# Altium PCB MB1397.PcbDoc (part 11 of 11) (continued)
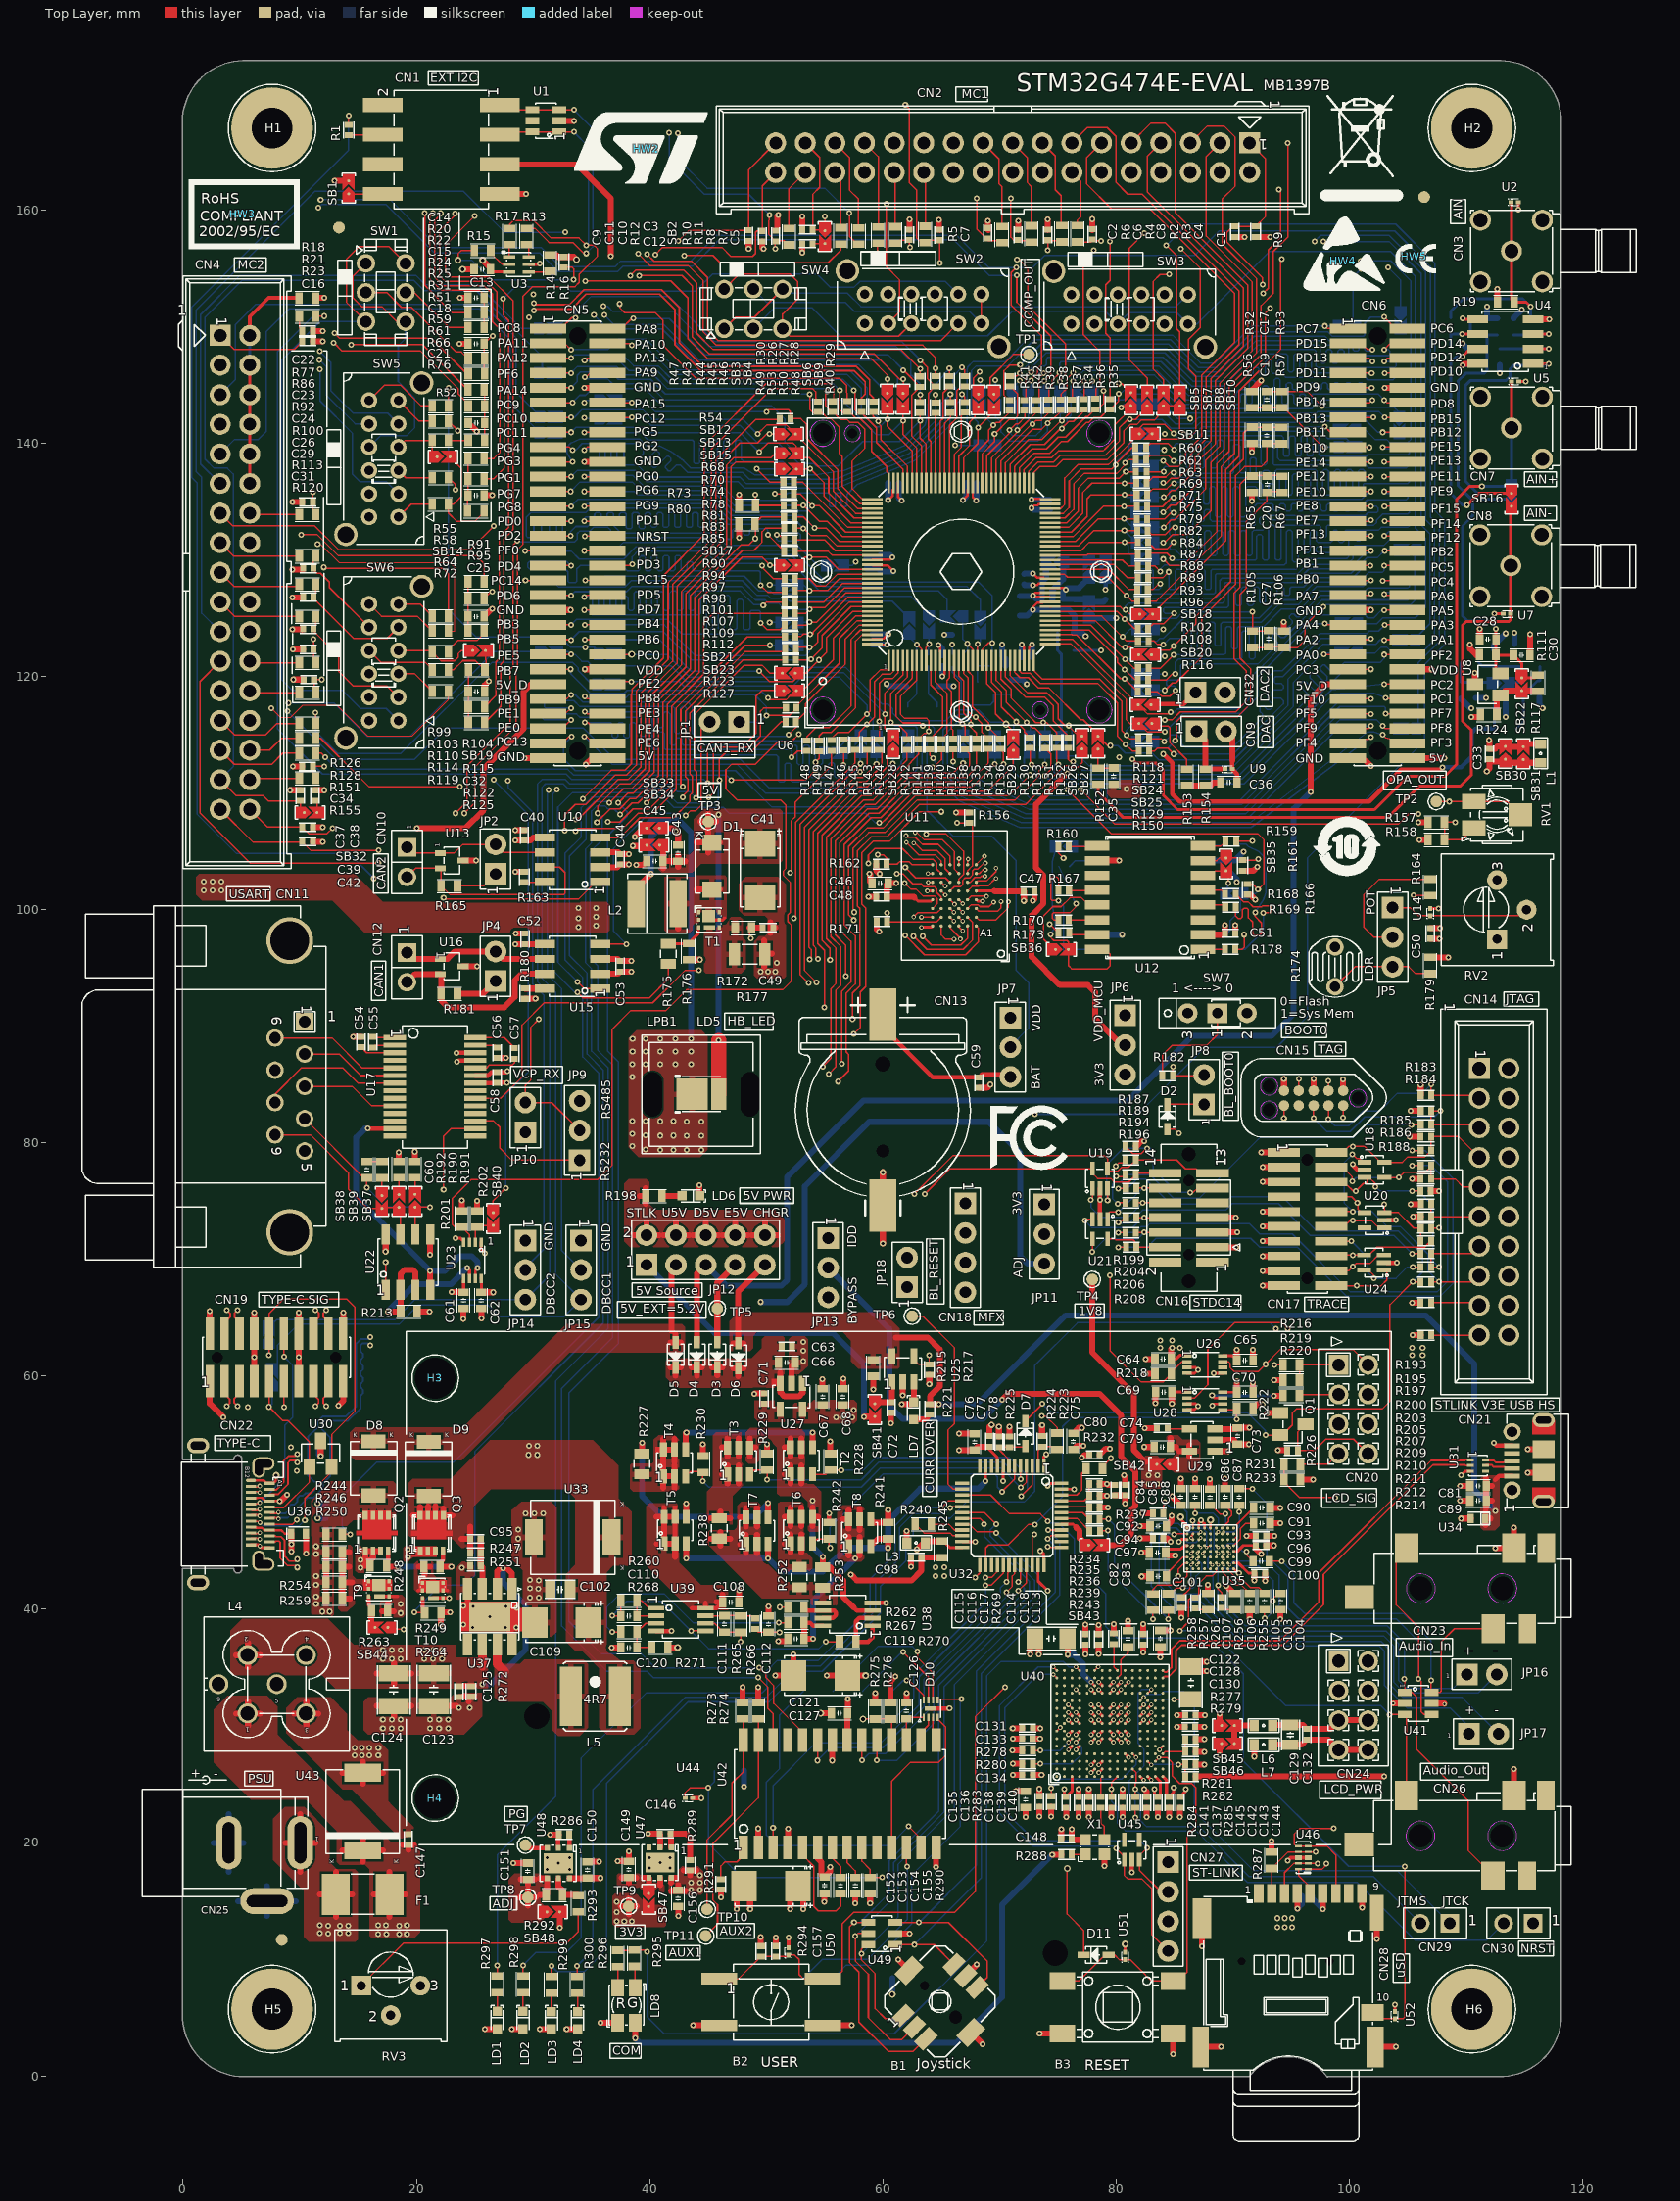
[diagram p0: Top Layer view]
## Keep-outs
L2_GND:
  lines w0.254: 90.721,0.056 cw(c94.742,-2.515) 98.779,0.03
L3_VCC:
  lines w0.254: 90.721,0.056 cw(c94.742,-2.515) 98.779,0.03
L5_GND:
  lines w0.254: 90.721,0.056 cw(c94.742,-2.515) 98.779,0.03
Bottom Layer:
  circle w0.025: c54.843,117.106 r2.505
  circle w0.025: c78.563,117.106 r2.505
  circle w0.025: c54.843,140.831 r2.505
Keep-Out Layer:
  lines w0.127: 118.11,5.156 118.11,5.156
Multi-Layer:
  circle w0.025: c57.383,140.826 r0.705
  circle w0.025: c54.843,117.106 r1.105
  circle w0.025: c54.843,140.826 r1.105
  circle w0.025: c78.563,140.826 r1.105
  circle w0.025: c78.563,117.106 r1.105
  circle w0.025: c73.483,117.106 r0.705

## Other copper
Top Layer:
  rectangle net GND: 27.324,38.1 29.25,40.12
  rectangle net NetR249_1: 20.222,41.456 22.614,42.517
  rectangle net NetC63_2: 50.458,59.182 51.317,59.776
  rectangle net NetR246_1: 15.419,41.581 17.922,42.545
  rectangle net NetQ2_1: 19.53,44.501 21.776,45.387
  rectangle net AMP_VDD: 41.011,47.802 41.467,48.943
  rectangle net AMP_VDD: 41.958,45.63 42.364,48.901
  rectangle net SH0_D: 40.505,53.414 42.257,53.911
  rectangle net SH0_D: 40.601,51.151 42.279,51.664
  rectangle net GND: 23.789,38.1 28.789,40.64
  text "1" at 57.462,-24.867 h1.91
  text "1" at 57.462,-24.867 h1.91
  text "PRIMARY SIDE" at 44.762,-28.677 h1.52
  text "PRIMARY SIDE" at 44.762,-28.677 h1.52
Bottom Layer:
  text "6" at 56.192,-24.867 h1.91
  text "6" at 56.192,-24.867 h1.91
  text "SECONDARY SIDE" at 44.762,-28.677 h1.52
Multi-Layer:
  text "FAB DARWING & DRILL LEGEND" at 44.762,-28.677 h1.52

## Silkscreen, mask and mechanical layers (free items; w line width, h text height)
Top Overlay:
  drawing of 2954 lines, arcs and shapes, not listed
  text "EXT I2C" at 21.189,170.942 h0.76
  text "MB1397B" at 92.606,170.231 h0.89
  text "STM32G474E-EVAL" at 71.45,170.155 h1.52
  text "MC1" at 66.761,169.545 h0.76
  text "AIN" at 109.67,159.133 h0.76 r90
  text "MC2" at 4.699,154.912 h0.76
  text "COMP_OUT" at 72.898,149.885 h0.76 r90
  text "PC8" at 26.924,149.482 h0.76
  text "PC7" at 95.377,149.426 h0.76
  text "PC6" at 106.934,149.428 h0.76
  text "PA8" at 38.687,149.352 h0.76
  text "PA11" at 26.924,148.202 h0.76
  text "PD15" at 95.377,148.158 h0.76
  text "PD14" at 106.934,148.158 h0.76
  text "PA10" at 38.707,148.067 h0.76
  text "PD12" at 106.934,146.962 h0.76
  text "PD13" at 95.377,146.939 h0.76
  text "PA12" at 26.886,146.914 h0.76
  text "PA13" at 38.707,146.914 h0.76
  text "PD10" at 106.934,145.745 h0.76
  text "PA9" at 38.707,145.669 h0.76
  text "PD11" at 95.377,145.641 h0.76
  text "PF6" at 26.886,145.545 h0.76
  text "GND" at 38.661,144.399 h0.76
  text "PD9" at 95.377,144.399 h0.76
  text "GND" at 106.934,144.385 h0.76
  text "PA14" at 26.856,144.1 h0.76
  text "PB14" at 95.377,143.129 h0.76
  text "PA15" at 38.687,143.002 h0.76
  text "PD8" at 106.934,143.002 h0.76
  text "PC9" at 26.856,142.878 h0.76
  text "PB13" at 95.377,141.732 h0.76
  text "PC10" at 26.856,141.712 h0.76
  text "PC12" at 38.687,141.712 h0.76
  text "PB15" at 106.934,141.67 h0.76
  text "PG5" at 38.674,140.589 h0.76
  text "PB11" at 95.377,140.545 h0.76
  text "PB12" at 106.934,140.538 h0.76
  text "PC11" at 26.856,140.483 h0.76
  text "PG2" at 38.687,139.362 h0.76
  text "PE15" at 106.934,139.342 h0.76
  text "PG4" at 26.856,139.219 h0.76
  text "PB10" at 95.377,139.205 h0.76
  text "PE13" at 106.934,138.125 h0.76
  text "PG3" at 26.886,138.05 h0.76
  text "GND" at 38.674,138.05 h0.76
  text "PE14" at 95.377,137.922 h0.76
  text "PG0" at 38.725,136.779 h0.76
  text "PE12" at 95.377,136.765 h0.76
  text "PE11" at 106.934,136.765 h0.76
  text "PG1" at 26.886,136.652 h0.76
  text "AIN+" at 115.189,136.522 h0.76
  text "PG6" at 38.725,135.581 h0.76
  text "PE9" at 106.934,135.487 h0.76
  text "PE10" at 95.377,135.441 h0.76
  text "PG7" at 26.886,135.255 h0.76
  text "PG9" at 38.753,134.237 h0.76
  text "PE8" at 95.377,134.227 h0.76
  text "PG8" at 26.924,134.112 h0.76
  text "PF15" at 106.991,133.982 h0.76
  text "AIN-" at 115.189,133.601 h0.76
  text "PD1" at 38.834,132.969 h0.76
  text "PE7" at 95.377,132.969 h0.76
  text "PD0" at 26.924,132.89 h0.76
  text "PF14" at 106.991,132.712 h0.76
  text "PF13" at 95.377,131.811 h0.76
  text "PD2" at 26.924,131.699 h0.76
  text "NRST" at 38.834,131.62 h0.76
  text "PF12" at 106.991,131.516 h0.76
  text "PF0" at 26.924,130.429 h0.76
  text "PF11" at 95.377,130.429 h0.76
  text "PF1" at 38.902,130.302 h0.76
  text "PB2" at 106.991,130.299 h0.76
  text "PB1" at 95.377,129.286 h0.76
  text "PD3" at 38.88,129.189 h0.76
  text "PD4" at 26.924,129.053 h0.76
  text "PC5" at 106.991,128.939 h0.76
  text "PB0" at 95.377,127.937 h0.76
  text "PC15" at 38.902,127.919 h0.76
  text "PC14" at 26.416,127.81 h0.76
  text "PC4" at 107.003,127.702 h0.76
  text "PD5" at 38.902,126.619 h0.76
  text "PD6" at 26.856,126.513 h0.76
  text "PA7" at 95.377,126.489 h0.76
  text "PA6" at 107.003,126.489 h0.76
  text "PD7" at 38.902,125.349 h0.76
  text "GND" at 26.856,125.312 h0.76
  text "GND" at 95.377,125.219 h0.76
  text "PA5" at 107.003,125.222 h0.76
  text "PB4" at 38.902,124.126 h0.76
  text "PB3" at 26.856,124.082 h0.76
  text "PA4" at 95.377,124.051 h0.76
  text "PA3" at 107.003,124.003 h0.76
  text "PB5" at 26.856,122.812 h0.76
  text "PB6" at 38.902,122.784 h0.76
  text "PA2" at 95.377,122.735 h0.76
  text "PA1" at 107.003,122.743 h0.76
  text "PA0" at 95.377,121.446 h0.76
  text "PF2" at 107.003,121.412 h0.76
  text "PE5" at 26.924,121.397 h0.76
  text "PC0" at 38.902,121.397 h0.76
  text "PC3" at 95.377,120.169 h0.76
  text "VDD" at 38.88,120.142 h0.76
  text "VDD" at 107.003,120.142 h0.76
  text "PB7" at 26.856,120.102 h0.76
  text "PE2" at 38.979,119 h0.76
  text "5V_D" at 26.797,118.872 h0.76
  text "PC2" at 106.934,118.872 h0.76
  text "5V_D" at 95.377,118.793 h0.76
  text "DAC2" at 93.116,117.789 h0.76 r90
  text "PB8" at 38.958,117.759 h0.76
  text "PC1" at 106.934,117.676 h0.76
  text "PB9" at 26.924,117.602 h0.76
  text "PF10" at 95.377,117.602 h0.76
  text "PE3" at 38.979,116.474 h0.76
  text "PE1" at 26.924,116.459 h0.76
  text "PF5" at 95.377,116.441 h0.76
  text "PF7" at 106.934,116.441 h0.76
  text "PE0" at 26.924,115.237 h0.76
  text "PF9" at 95.377,115.189 h0.76
  text "PF8" at 106.934,115.189 h0.76
  text "PE4" at 38.958,115.092 h0.76
  text "DAC" at 93.218,114.259 h0.76 r90
  text "PC13" at 26.856,113.985 h0.76
  text "PE6" at 38.958,113.909 h0.76
  text "PF4" at 95.377,113.919 h0.76
  text "PF3" at 106.934,113.919 h0.76
  text "CAN1_RX" at 44.094,113.473 h0.76
  text "5V" at 38.979,112.796 h0.76
  text "GND" at 26.924,112.697 h0.76
  text "GND" at 95.377,112.587 h0.76
  text "5V" at 106.807,112.57 h0.76
  text "OPA_OUT" at 103.175,110.781 h0.76
  text "5V" at 44.488,109.852 h0.76
  text "CAN2" at 17.366,101.653 h0.76 r90
  text "USART" at 3.937,100.95 h0.76
  text "POT" at 102.182,99.503 h0.76 r90
  text "LDR" at 102.083,93.842 h0.76 r90
  text "1 <----> 0" at 84.785,92.862 h0.76
  text "CAN1" at 17.172,92.456 h0.76 r90
  text "JTAG" at 113.411,91.945 h0.76
  text "0=Flash" at 94.056,91.745 h0.76
  text "1=Sys Mem" at 94.107,90.703 h0.76
  text "HB_LED" at 46.662,90.076 h0.76
  text "VDD" at 73.495,89.527 h0.76 r90
  text "BOOT0" at 94.437,89.282 h0.76
  text "VDD_MCU" at 78.867,88.646 h0.76 r90
  text "TAG" at 97.33,87.63 h0.76
  text "VCP_RX" at 28.296,85.522 h0.76
  text "3V3" at 78.913,84.833 h0.76 r90
  text "BAT" at 73.492,84.574 h0.76 r90
  text "BL_BOOT0" at 90.043,82.169 h0.76 r90
  text "RS485" at 36.636,82.014 h0.76 r90
  text "RS232" at 36.548,76.659 h0.76 r90
  text "5V PWR" at 48.006,75.095 h0.76
  text "3V3" at 71.89,73.779 h0.76 r90
  text "U5V" at 41.042,73.635 h0.76
  text "D5V" at 43.739,73.635 h0.76
  text "E5V" at 46.372,73.627 h0.76
  text "CHGR" at 48.912,73.627 h0.76
  text "STLK" at 38.049,73.609 h0.76
  text "IDD" at 57.744,71.01 h0.76 r90
  text "GND" at 31.743,70.739 h0.76 r90
  text "GND" at 36.662,70.681 h0.76 r90
  text "ADJ" at 71.945,68.389 h0.76 r90
  text "5V Source" at 38.834,66.929 h0.76
  text "BL_RESET" at 64.75,66.461 h0.76 r90
  text "TYPE-C SIG" at 6.731,66.167 h0.76
  text "STDC14" at 86.563,65.913 h0.76
  text "TRACE" at 96.393,65.786 h0.76
  text "5V_EXT=5.2V" at 37.465,65.405 h0.76
  text "DBCC1" at 36.703,65.278 h0.76 r90
  text "DBCC2" at 31.877,65.238 h0.76 r90
  text "1V8" at 76.782,65.199 h0.76
  text "MFX" at 68.146,64.64 h0.76
  text "BYPASS" at 57.757,64.465 h0.76 r90
  text "STLINK V3E USB HS" at 107.315,57.15 h0.76
  text "TYPE-C" at 2.921,53.848 h0.76
  text "CURR OVER" at 64.421,49.911 h0.76 r90
  text "LCD_SIG" at 97.917,49.174 h0.76
  text "Audio_In" at 104.267,36.474 h0.76
  text "-" at 112.304,36.093 h0.76
  text "+" at 109.736,36.068 h0.76
  text "-" at 112.431,30.988 h0.76
  text "+" at 109.863,30.963 h0.76
  text "Audio_Out" at 106.299,25.796 h0.76
  text "+" at 0.646,25.555 h0.76
  text "-" at 2.628,25.541 h0.76
  text "PSU" at 5.565,25.121 h0.76
  text "LCD_PWR" at 97.815,24.232 h0.76
  text "PG" at 27.889,22.073 h0.76
  text "ST-LINK" at 86.535,17.018 h0.76
  text "JTMS" at 104.14,14.605 h0.76
  text "JTCK" at 107.95,14.605 h0.76
  text "ADJ" at 26.54,14.402 h0.76
  text "AUX2" at 46.025,12.04 h0.76
  text "3V3" at 37.418,11.961 h0.76
  text "NRST" at 114.681,10.541 h0.76
  text "AUX1" at 41.648,10.185 h0.76
  text "uSD" at 104.775,8.382 h0.76 r90
  text "COM" at 36.83,1.778 h0.76
  text "USER" at 49.53,0.762 h0.89
  text "Joystick" at 62.908,0.6 h0.89
  text "RESET" at 77.297,0.508 h0.89
  text "SILKSCREEN, (PRIMARY)" at 44.762,-28.677 h1.52
Bottom Overlay:
  lines w0.127: 67.31,38.083 73.894,38.083 ; 67.31,38.133 67.31,39.482 73.69,39.482 73.911,39.261 73.911,38.101 ; 67.539,36.524 67.539,36.573 ; 70.646,124.774 70.646,127.553 70.646,129.043 70.646,129.54 62.992,129.54 62.992,133.147 69.615,133.147 71.133,133.147 71.133,127.693 71.19,127.635 71.478,127.635 ; 71.553,124.488 72.765,124.488 72.855,124.578 76.879,124.578 77.379,124.079 80.236,124.079 80.236,124.536 ; 72.898,127.381 75.281,127.381 ; 74.122,36.524 74.14,36.542 ; 76.073,127.381 78.565,127.381 ; 79.591,127.381 80.165,127.381 80.165,125.499 ; 116.332,145.479 116.332,152.176 109.982,152.176 109.982,158.877 101.346,158.877 101.346,152.342 107.627,152.342 107.627,145.542 116.332,145.542 ; 33.122,169.112 34.823,169.112 41.407,169.112 41.425,169.13 41.425,170.663 33.122,170.663 33.122,169.112 ; 46.203,65.507 46.204,65.505 46.965,65.505 53.548,65.505 53.566,65.523 53.566,66.683 53.345,66.904 46.203,66.904 46.203,66.317 46.203,65.507
  text "product sticker" at 41.072,169.619 h0.76
  text "board sticker" at 53.21,65.837 h0.76
  text "Smart Card" at 73.556,38.415 h0.76
  text "SILKSCREEN, (SECONDARY)" at 75.115,-28.804 h1.52
Top Paste:
  text "SOLDER PASTE (PRIMARY)" at 44.762,-28.677 h1.52
  text "SOLDER PASTE (PRIMARY)" at 44.762,-28.677 h1.52
Bottom Paste:
  text "SOLDER PASTE (SECONDARY)" at 44.762,-28.677 h1.52
  text "SOLDER PASTE (SECONDARY)" at 44.762,-28.677 h1.52
Top Solder:
  text "SOLDER MASK (PRIMARY)" at 44.762,-28.677 h1.52
  text "SOLDER MASK (PRIMARY)" at 44.762,-28.677 h1.52
Bottom Solder:
  text "SOLDER MASK (SECONDARY)" at 44.762,-28.677 h1.52
  text "SOLDER MASK (SECONDARY)" at 44.762,-28.677 h1.52
M1-Board Shape:
  lines w0.127: 0,43.434 0,5.258 ccw(c5.207,5.207) 5.156,0 91.38,0 cw(c94.742,-2.502) 98.116,-0.016 ; 0,52.884 0,167.564 cw(c5.207,167.513) 5.258,172.72 ; 5.105,172.72 40.783,172.72 112.954,172.72 cw(c112.903,167.513) 118.11,167.462 118.11,24.765 118.11,5.156 cw(c112.903,5.207) 112.852,0 98.116,0
M8-Bottom Info:
  text "4" at 38.644,-6.807 h1.91
  text "4" at 38.644,-6.807 h1.91
  text "LAYER 4 (INTERNAL SIGNAL)" at 25.944,-10.617 h1.52
  text "LAYER 4 (INTERNAL SIGNAL)" at 25.944,-10.617 h1.52
M12-Top 3D Body:
  text "5" at 38.644,-6.807 h1.91
  text "5" at 38.644,-6.807 h1.91
  text "LAYER 5 (GND PLANE)" at 25.944,-10.617 h1.52
  text "LAYER 5 (GND PLANE)" at 25.944,-10.617 h1.52
M13-Bottom 3D Body:
  text "3" at 38.644,-6.807 h1.91
  text "3" at 38.644,-6.807 h1.91
  text "LAYER 3 (VTT PLANE)" at 25.944,-10.617 h1.52
  text "LAYER 3 (VTT PLANE)" at 25.944,-10.617 h1.52
M14-Top Assembly:
  text "2" at 38.644,-6.807 h1.91
  text "2" at 38.644,-6.807 h1.91
  text "LAYER 2 (GND PLANE)" at 25.944,-10.617 h1.52
  text "LAYER 2 (GND PLANE)" at 25.944,-10.617 h1.52
Drill Drawing:
  drawing of 25954 lines, arcs and shapes, not listed
  text "6" at -9.855,302.895 h3.3
  text "6" at -9.855,302.895 h3.3
  text "5" at 79.045,302.895 h3.3
  text "5" at 79.045,302.895 h3.3
  text "4" at 167.945,302.895 h3.3
  text "4" at 167.945,302.895 h3.3
  text "3" at 256.845,302.895 h3.3
  text "3" at 256.845,302.895 h3.3
  text "2" at 345.745,302.895 h3.3
  text "2" at 345.745,302.895 h3.3
  text "1" at 434.645,302.895 h3.3
  text "1" at 434.645,302.895 h3.3
  text "REVISIONS" at 402.59,296.266 h2.29
  text "DESCRIPTION" at 384.708,290.5 h1.91
  text "DATA" at 443.535,290.5 h1.91
  text "APPROVED" at 459.105,290.347 h1.91
  text "REV" at 374.32,290.093 h1.91
  text "1.0" at 374.117,285.42 h1.91
  text "***" at 460.883,285.217 h1.91
  text "2008-**-**" at 439.522,285.064 h1.91
  text "EDITION ORIGINALE" at 384.505,285.013 h1.91
  text "D" at -60.655,244.475 h3.3
  text "D" at -60.655,244.475 h3.3
  text "D" at 480.365,244.475 h3.3
  text "D" at 480.365,244.475 h3.3
  text "4" at 302.565,235.128 h1.91
  text "4" at 302.565,235.128 h1.91
  text "LAYER STUCK-UP" at 307.645,235.128 h1.91
  text "LAYER STUCK-UP" at 307.645,235.128 h1.91
  text "5" at -14.224,231.496 h2.54
  text "5" at -14.224,231.496 h2.54
  text "IMPEDANCE TABLE" at -6.35,230.988 h2.54
  text "IMPEDANCE TABLE" at -6.35,230.988 h2.54
  text "SOLDERMASK & SILKSCREEN" at 352.349,229.032 h1.52
  text "SOLDERMASK & SILKSCREEN" at 352.349,229.032 h1.52
  text "TOP     (0.5 oz cu+planted)" at 352.349,225.984 h1.52
  text "TOP     (0.5 oz cu+planted)" at 352.349,225.984 h1.52
  text "LAYER" at -8.255,223.52 h1.91
  text "LAYER" at -8.255,223.52 h1.91
  text "TOLERANCE" at 86.995,223.52 h1.91
  text "TOLERANCE" at 86.995,223.52 h1.91
  text "TRACE" at 10.795,223.266 h1.91
  text "TRACE" at 10.795,223.266 h1.91
  text "SPACEING" at 24.765,223.266 h1.91
  text "SPACEING" at 24.765,223.266 h1.91
  text "IMPEDANCE" at 43.815,223.266 h1.91
  text "IMPEDANCE" at 43.815,223.266 h1.91
  text "IMPEDANCE" at 66.675,223.266 h1.91
  text "IMPEDANCE" at 66.675,223.266 h1.91
  text "PREPREG  3.9 mil" at 318.821,221.793 h1.52
  text "PREPREG  3.9 mil" at 318.821,221.793 h1.52
  text "(mil)" at 12.065,220.98 h1.27
  text "(mil)" at 12.065,220.98 h1.27
  text "(Single end)" at 45.085,220.98 h1.27
  text "(Single end)" at 45.085,220.98 h1.27
  text "(mil)" at 27.305,220.726 h1.27
  text "(mil)" at 27.305,220.726 h1.27
  text "(Differential)" at 66.675,220.726 h1.27
  text "(Differential)" at 66.675,220.726 h1.27
  text "LAYER 2 (1 oz)" at 352.349,218.364 h1.52
  text "LAYER 2 (1 oz)" at 352.349,218.364 h1.52
  text "1,6" at -8.382,217.272 h1.91
  text "1,6" at -8.382,217.272 h1.91
  text "5.0" at 11.938,217.018 h1.91
  text "5.0" at 11.938,217.018 h1.91
  text "CORE     4  mil" at 318.821,215.824 h1.52
  text "CORE     4  mil" at 318.821,215.824 h1.52
  text "N/A" at 28.575,215.646 h1.91
  text "N/A" at 28.575,215.646 h1.91
  text "55 OHM" at 45.085,215.392 h1.91
  text "55 OHM" at 45.085,215.392 h1.91
  text "N/A" at 70.485,215.392 h1.91
  text "N/A" at 70.485,215.392 h1.91
  text "+/-10%" at 89.535,215.392 h1.91
  text "+/-10%" at 89.535,215.392 h1.91
  text "4.0" at 11.684,213.97 h1.91
  text "4.0" at 11.684,213.97 h1.91
  text "4" at -8.382,213.716 h1.91
  text "4" at -8.382,213.716 h1.91
  text "LAYER 3 (1 oz)" at 352.349,213.284 h1.52
  text "LAYER 3 (1 oz)" at 352.349,213.284 h1.52
  text "63 mil" at 296.672,211.442 h1.91
  text "63 mil" at 296.672,211.442 h1.91
  text "1,6" at -8.509,210.541 h1.91
  text "6.1" at 11.557,210.541 h1.91
  text "8.9" at 28.067,210.541 h1.91
  text "N/A" at 47.752,209.398 h1.91
  text "90 OHM" at 68.326,209.144 h1.91
  text "PREPREG  ** mil" at 318.821,209.093 h1.52
  text "PREPREG  ** mil" at 318.821,209.093 h1.52
  text "+/-10%" at 89.535,209.042 h1.91
  text "+/-10%" at 89.535,209.042 h1.91
  text "+/-10%" at 297.739,208.712 h1.27
  text "+/-10%" at 297.739,208.712 h1.27
  text "4" at -8.509,207.747 h1.91
  text "5.1" at 11.557,207.747 h1.91
  text "9.9" at 28.067,207.747 h1.91
  text "LAYER 4 (1 oz)" at 352.349,205.664 h1.52
  text "LAYER 4 (1 oz)" at 352.349,205.664 h1.52
  text "CORE     4  mil" at 318.821,203.124 h1.52
  text "CORE     4  mil" at 318.821,203.124 h1.52
  text "90 OHM" at 68.174,202.895 h1.91
  text "+/-10%" at 89.687,202.844 h1.91
  text "N/A" at 47.879,202.311 h1.91
  text "LAYER 5 (1 oz)" at 352.349,200.584 h1.52
  text "LAYER 5 (1 oz)" at 352.349,200.584 h1.52
  text "PREPREG  3.9 mil" at 318.821,196.393 h1.52
  text "PREPREG  3.9 mil" at 318.821,196.393 h1.52
  text "BOTTOM  (0.5 oz cu+planted)" at 352.349,192.964 h1.52
  text "BOTTOM  (0.5 oz cu+planted)" at 352.349,192.964 h1.52
  text "SOLDERMASK & SILKSCREEN" at 352.349,189.916 h1.52
  text "SOLDERMASK & SILKSCREEN" at 352.349,189.916 h1.52
  text "6 LAYER STACKING" at 317.297,185.344 h1.91
  text "6 LAYER STACKING" at 317.297,185.344 h1.91
  text "C" at -60.655,145.415 h3.3
  text "C" at -60.655,145.415 h3.3
  text "C" at 480.365,145.415 h3.3
  text "C" at 480.365,145.415 h3.3
  text "PCB SPECIFICATIONS:" at 302.463,138.125 h2.16
  text "PCB SPECIFICATIONS:" at 302.463,138.125 h2.16
  text "A. MATERIAL;" at 302.463,133.045 h2.16
  text "A. MATERIAL;" at 302.463,133.045 h2.16
  text "FR-4," at 346.913,133.045 h2.16
  text "FR-4," at 346.913,133.045 h2.16
  text "TG-170" at 371.043,133.045 h2.16
  text "TG-170" at 371.043,133.045 h2.16
  text "TG-150" at 390.093,133.045 h2.16
  text "TG-150" at 390.093,133.045 h2.16
  text "TG-140" at 411.683,133.045 h2.16
  text "TG-140" at 411.683,133.045 h2.16
  text "B. MATERIAL FAMILY;" at 302.463,127.965 h2.16
  text "B. MATERIAL FAMILY;" at 302.463,127.965 h2.16
  text "N/A." at 346.913,127.965 h2.16
  text "N/A." at 346.913,127.965 h2.16
  text "C. SOLDERMASK COLOR;" at 302.463,122.885 h2.16
  text "C. SOLDERMASK COLOR;" at 302.463,122.885 h2.16
  text "GREEN" at 350.723,122.885 h2.16
  text "GREEN" at 350.723,122.885 h2.16
  text "BLUE" at 369.773,122.885 h2.16
  text "BLUE" at 369.773,122.885 h2.16
  text "RED" at 391.363,122.885 h2.16
  text "RED" at 391.363,122.885 h2.16
  text "BLACK" at 412.953,122.885 h2.16
  text "BLACK" at 412.953,122.885 h2.16
  text "D. SILKSCREEN COLOR;" at 302.463,117.805 h2.16
  text "D. SILKSCREEN COLOR;" at 302.463,117.805 h2.16
  text "WHITE" at 350.723,117.805 h2.16
  text "WHITE" at 350.723,117.805 h2.16
  text "YELLOW" at 369.773,117.805 h2.16
  text "YELLOW" at 369.773,117.805 h2.16
  text "BLACK" at 391.363,117.805 h2.16
  text "BLACK" at 391.363,117.805 h2.16
  text "E. SURFACE FINISH;" at 302.463,112.725 h2.16
  text "E. SURFACE FINISH;" at 302.463,112.725 h2.16
  text "ENIG" at 350.723,112.725 h2.16
  text "ENIG" at 350.723,112.725 h2.16
  text "IMMERSION SILVER" at 369.773,112.725 h2.16
  text "IMMERSION SILVER" at 369.773,112.725 h2.16
  text "IMMERSION TIN" at 412.953,112.725 h2.16
  text "IMMERSION TIN" at 412.953,112.725 h2.16
  text "HASL" at 350.723,107.645 h2.16
  text "HASL" at 350.723,107.645 h2.16
  text "HASL(PB-FREE)" at 369.773,107.645 h2.16
  text "HASL(PB-FREE)" at 369.773,107.645 h2.16
  text "GOLDEN FINGER" at 412.953,107.645 h2.16
  text "GOLDEN FINGER" at 412.953,107.645 h2.16
  text "F. IMPEDANCE CONTROL;" at 302.463,102.565 h2.16
  text "F. IMPEDANCE CONTROL;" at 302.463,102.565 h2.16
  text "NO" at 350.723,102.565 h2.16
  text "NO" at 350.723,102.565 h2.16
  text "YES" at 369.773,102.565 h2.16
  text "YES" at 369.773,102.565 h2.16
  text "(SEE IMPEDANCE TABLE FOR DETAIL INFORMATION)" at 374.853,102.565 h2.16
  text "(SEE IMPEDANCE TABLE FOR DETAIL INFORMATION)" at 374.853,102.565 h2.16
  text "G. THROUGH VIA;" at 302.463,97.485 h2.16
  text "G. THROUGH VIA;" at 302.463,97.485 h2.16
  text "PLUG THE VIAS WHICH ARE COVERED WITH SOLDERMASK ONE OR TWO SIDE." at 339.293,97.485 h2.16
  text "PLUG THE VIAS WHICH ARE COVERED WITH SOLDERMASK ONE OR TWO SIDE." at 339.293,97.485 h2.16
  text "PLUG MATERIAL:" at 339.293,92.405 h2.16
  text "PLUG MATERIAL:" at 339.293,92.405 h2.16
  text "SOLDERMASK" at 379.933,92.405 h2.16
  text "SOLDERMASK" at 379.933,92.405 h2.16
  text "NON-CONDUCTIVE EPOXY." at 412.953,92.405 h2.16
  text "NON-CONDUCTIVE EPOXY." at 412.953,92.405 h2.16
  text "H. STACK-UP;" at 302.463,87.325 h2.16
  text "H. STACK-UP;" at 302.463,87.325 h2.16
  text "SEE LAYER STACK-UP SEQUENCE FOR OVERALL THICKNESS." at 339.293,87.325 h2.16
  text "SEE LAYER STACK-UP SEQUENCE FOR OVERALL THICKNESS." at 339.293,87.325 h2.16
  text "PCB REQUIREMENTS:" at 302.209,79.705 h2.16
  text "PCB REQUIREMENTS:" at 302.209,79.705 h2.16
  text "1. THIS BOARD WILL CONFORM TO:" at 300.939,74.625 h2.16
  text "1. THIS BOARD WILL CONFORM TO:" at 300.939,74.625 h2.16
  text "IPC-A-600. CURRENT REV., CLASS II" at 300.939,70.815 h2.16
  text "IPC-A-600. CURRENT REV., CLASS II" at 300.939,70.815 h2.16
  text "IPC-6012, CURRENT REV., CLASS II" at 300.939,67.005 h2.16
  text "IPC-6012, CURRENT REV., CLASS II" at 300.939,67.005 h2.16
  text "2. UNLESS OTHERWISE SPECIFIED ALL HOLE DIMENSIONS APPLY AFTER PLATING." at 300.939,61.671 h2.16
  text "2. UNLESS OTHERWISE SPECIFIED ALL HOLE DIMENSIONS APPLY AFTER PLATING." at 300.939,61.671 h2.16
  text "ALL HOLES SHALL BE LOCATED WITHIN .003\" DIAMETER OF TRUE POSITION." at 300.939,57.861 h2.16
  text "ALL HOLES SHALL BE LOCATED WITHIN .003\" DIAMETER OF TRUE POSITION." at 300.939,57.861 h2.16
  text "3. PLATED HOLE WALL THICKNESS SHALL NOT BE LESS THAN .001 INCH MINIMUM" at 300.939,52.781 h2.16
  text "3. PLATED HOLE WALL THICKNESS SHALL NOT BE LESS THAN .001 INCH MINIMUM" at 300.939,52.781 h2.16
  text "B" at -60.655,51.435 h3.3
  text "B" at -60.655,51.435 h3.3
  text "B" at 480.365,51.435 h3.3
  text "B" at 480.365,51.435 h3.3
  text "AVERAGE, WITH NO READING LESS THAN .0008 BY COROSS SECTION." at 305.511,49.225 h2.16
  text "AVERAGE, WITH NO READING LESS THAN .0008 BY COROSS SECTION." at 305.511,49.225 h2.16
  text "4. MATERIAL FR4 RATING 94V-0 MINIMUM EPOXY GLASS LAMINATE." at 300.939,43.891 h2.16
  text "4. MATERIAL FR4 RATING 94V-0 MINIMUM EPOXY GLASS LAMINATE." at 300.939,43.891 h2.16
  text "5. BOARD SHALL BE LPI SOLDER MASKED OVER BARE COPPER BOTH SIDES PER" at 300.939,39.319 h2.16
  text "5. BOARD SHALL BE LPI SOLDER MASKED OVER BARE COPPER BOTH SIDES PER" at 300.939,39.319 h2.16
  text "IPC-SM-840 CLASS II." at 300.939,35.509 h2.16
  text "IPC-SM-840 CLASS II." at 300.939,35.509 h2.16
  text "6. SILKSCREEN SHALL BE PERMANENT NON-CONDUCTIVE INK AND WITH NO OVERLAP" at 300.939,30.429 h2.16
  text "6. SILKSCREEN SHALL BE PERMANENT NON-CONDUCTIVE INK AND WITH NO OVERLAP" at 300.939,30.429 h2.16
  text "ON ANY COMPONENT PAD OR THROUGH HOLE." at 300.939,26.619 h2.16
  text "ON ANY COMPONENT PAD OR THROUGH HOLE." at 300.939,26.619 h2.16
  text "7. MFGR, TO LEGIBLY ETCH OR STAMP/SCREEN WITH PERMANENT NON-CONDUCTIVE INK" at 300.939,21.539 h2.16
  text "7. MFGR, TO LEGIBLY ETCH OR STAMP/SCREEN WITH PERMANENT NON-CONDUCTIVE INK" at 300.939,21.539 h2.16
  text "D. MFGR. LOGO" at 347.929,18.237 h2.16
  text "D. MFGR. LOGO" at 347.929,18.237 h2.16
  text "A. U.L. CODE" at 308.305,17.729 h2.16
  text "A. U.L. CODE" at 308.305,17.729 h2.16
  text ".Legend" at 124.333,16.662 h1.52
  text "E. SUCCESSFUL ELECTRICAL BOARD TEST." at 347.929,14.681 h2.16
  text "E. SUCCESSFUL ELECTRICAL BOARD TEST." at 347.929,14.681 h2.16
  text "B. DATE CODE" at 308.305,14.173 h2.16
  text "B. DATE CODE" at 308.305,14.173 h2.16
  text "C. FLAMMABILITY RATING" at 308.305,10.617 h2.16
  text "C. FLAMMABILITY RATING" at 308.305,10.617 h2.16
  text "8. REMOVE THE FLASHS WHICH SMALLER THAN HOLE SIZE." at 300.939,5.283 h2.16
  text "8. REMOVE THE FLASHS WHICH SMALLER THAN HOLE SIZE." at 300.939,5.283 h2.16
  text "9. REMOVE ALL SHAPE EDGES AND BURRS .005 MAXIMUM." at 300.939,0.203 h2.16
  text "9. REMOVE ALL SHAPE EDGES AND BURRS .005 MAXIMUM." at 300.939,0.203 h2.16
  text "10. PLEASE USE THE SUPPLIED IPC 356 NETLIST TO VERIFY BOARD BEFORE" at 300.939,-5.131 h2.16
  text "10. PLEASE USE THE SUPPLIED IPC 356 NETLIST TO VERIFY BOARD BEFORE" at 300.939,-5.131 h2.16
  text "FABRICATING BOARD." at 300.939,-8.941 h2.16
  text "FABRICATING BOARD." at 300.939,-8.941 h2.16
  text "COMPANY NAME:" at 84.132,-23.597 h1.52
  text "LAYER:" at 43.492,-24.867 h1.91
  text "ST" at 87.942,-27.407 h1.91
  text "ST" at 87.942,-27.407 h1.91
  text "PROJECT NAME:" at 84.132,-31.217 h1.52
  text "DESIGNED BY SOFER" at 11.234,-31.725 h1.52
  text "www.sofer.com.cn" at 11.742,-34.265 h1.52
  text "MB1397" at 86.458,-34.62 h1.91
  text "DESIGNER:" at 44.762,-35.027 h1.52
  text "DESIGNER:" at 44.762,-35.027 h1.52
  text "Shelley" at 57.462,-35.027 h1.52
  text "Shelley" at 57.462,-35.027 h1.52
  text "Tel : +86 21 - 6482 6908" at 6.662,-38.837 h1.52
  text "PROJECT NUMBER:" at 84.132,-38.837 h1.52
  text "REV" at 114.612,-38.837 h1.52
  text "REV" at 114.612,-38.837 h1.52
  text "Mail: design@sofer.com.cn" at 6.662,-41.377 h1.52
  text "DATE:" at 44.762,-41.377 h1.52
  text "2018.07.25" at 52.382,-41.377 h1.52
  text "D031-028A2" at 87.942,-42.647 h1.91
  text "B" at 117.152,-42.647 h1.91
  text "A" at -60.655,-55.245 h3.3
  text "A" at -60.655,-55.245 h3.3
  text "A" at 480.365,-55.245 h3.3
  text "A" at 480.365,-55.245 h3.3
  text "DATA" at 378.358,-62.738 h1.91
  text "UNLESS OTHERWISE SPECIFIED" at 294.767,-62.967 h1.91
  text "SIGNATURES" at 343.713,-63.5 h1.91
  text "COMPANY NAME" at 429.362,-65.938 h2.29
  text "LOGO" at 395.732,-66.116 h2.29
  text "DRAWN" at 343.713,-68.58 h1.91
  text "YY-MM-DD" at 376.072,-69.088 h1.91
  text "DIMENSIONS ARE IN INCHES" at 294.945,-69.672 h1.91
  text "TOLERANCES ON;" at 294.945,-73.838 h1.91
  text "CHECKED" at 343.713,-74.422 h1.91
  text "YY-MM-DD" at 375.691,-74.422 h1.91
  text "TITLE" at 393.725,-76.657 h1.91
  text "2 PL DECIMALS +" at 294.945,-77.826 h1.91
  text "ENGGRG" at 343.84,-79.121 h1.91
  text "YY-MM-DD" at 375.945,-79.248 h1.91
  text "PROJECT NAME  *" at 409.524,-80.061 h2.29
  text "3 PL DECIMALS +" at 295.148,-81.763 h1.91
  text "ISSUED" at 343.713,-84.049 h1.91
  text "ANGLES +" at 294.767,-85.979 h1.91
  text "SIZE   B" at 393.395,-87.757 h1.91
  text "DWG  NO   *******" at 415.925,-87.757 h1.91
  text "REV **" at 462.356,-87.909 h1.91
  text "FRACTIONS +" at 294.767,-89.967 h1.91
  text "SCALE  1:1" at 393.573,-93.65 h1.91
  text "SHEET    1  OF  1" at 442.849,-93.802 h1.91
  text "6" at -9.855,-100.965 h3.3
  text "6" at -9.855,-100.965 h3.3
  text "5" at 79.045,-100.965 h3.3
  text "5" at 79.045,-100.965 h3.3
  text "4" at 167.945,-100.965 h3.3
  text "4" at 167.945,-100.965 h3.3
  text "3" at 256.845,-100.965 h3.3
  text "3" at 256.845,-100.965 h3.3
  text "2" at 345.745,-100.965 h3.3
  text "2" at 345.745,-100.965 h3.3
  text "1" at 434.645,-100.965 h3.3
  text "1" at 434.645,-100.965 h3.3

## Dimensions
7.62,5.715 to 7.62,167.005 on M2-Board Dimensions
5.105,172.72 to 5.156,0 on M2-Board Dimensions
31.285,149.811 to 99.865,149.811 on M2-Board Dimensions
7.62,167.005 to 110.49,167.005 on M2-Board Dimensions
-0.064,167.564 to 118.11,167.462 on M2-Board Dimensions

## Text inside footprints (layer, text, board x,y; h text height)
B1: Top Overlay "1" at 61.071,3.824 h1.5 r45; M14-Top Assembly "6" at 68.283,7.112 h1.5 r45; M14-Top Assembly "5" at 67.293,8.102 h1.5 r45; M14-Top Assembly "4" at 66.286,9.075 h1.5 r45; M14-Top Assembly "3" at 63.758,2.587 h1.5 r45; M14-Top Assembly "2" at 62.768,3.577 h1.5 r45; M14-Top Assembly "1" at 61.866,4.62 h1.5 r45; M14-Top Assembly "8" at 68.354,3.506 h1.5 r135; M14-Top Assembly "7" at 62.503,9.428 h1.5 r135
B2: Top Overlay "1" at 46.614,6.743 h1.5; M14-Top Assembly "1" at 44.964,7.843 h1.5; M14-Top Assembly "3" at 44.664,3.843 h1.5; M14-Top Assembly "2" at 55.539,7.843 h1.5; M14-Top Assembly "4" at 55.489,3.843 h1.5
CN1: Top Overlay "2" at 17.885,169.709 h1.5 r90; Top Overlay "1" at 27.335,169.734 h1.5 r90; M14-Top Assembly "1" at 26.085,168.709 h1.5 r90; M14-Top Assembly "2" at 19.135,168.634 h1.5 r90; M14-Top Assembly "8" at 19.16,161.034 h1.5 r90; M14-Top Assembly "7" at 26.11,161.059 h1.5 r90
CN2: Top Overlay "1" at 93.014,166.323 h1.5 r180; Top Overlay "1" at 92.87,169.39 h1.5 r270; M14-Top Assembly "2" at 91.795,163.69 h1.5 r180; M14-Top Assembly "1" at 91.67,166.215 h1.5 r180; M14-Top Assembly "33" at 51.47,166.215 h1.5 r180; M14-Top Assembly "34" at 51.47,163.665 h1.5 r180
CN3: M14-Top Assembly "1" at 113.734,156.064 h1.2
CN4: Top Overlay "1" at 2.587,150.799 h1.5 r270; Top Overlay "1" at -0.48,150.655 h1.5; M14-Top Assembly "2" at 5.22,149.58 h1.5 r270; M14-Top Assembly "1" at 2.695,149.455 h1.5 r270; M14-Top Assembly "33" at 2.695,109.255 h1.5 r270; M14-Top Assembly "34" at 5.245,109.255 h1.5 r270
CN5: Top Overlay "1" at 30.579,150.985 h1.5 r270; M14-Top Assembly "2" at 36.56,150.096 h1.3 r270; M14-Top Assembly "60" at 36.61,113.596 h1.3 r270; M14-Top Assembly "59" at 30.285,113.596 h1.3 r270; M14-Top Assembly "1" at 30.26,149.996 h1.3 r270
CN6: Top Overlay "1" at 99.13,150.797 h1.5 r270; M14-Top Assembly "2" at 105.14,150.096 h1.3 r270; M14-Top Assembly "60" at 105.19,113.596 h1.3 r270; M14-Top Assembly "59" at 98.865,113.596 h1.3 r270; M14-Top Assembly "1" at 98.84,149.996 h1.3 r270
CN7: M14-Top Assembly "1" at 113.734,140.885 h1.2
CN8: M14-Top Assembly "1" at 113.681,129.074 h1.2
CN9: Top Overlay "1" at 85.072,114.804 h1.5; M14-Top Assembly "1" at 86.622,114.754 h1.5
CN10: Top Overlay "1" at 19.661,106.91 h0.64 r90; M14-Top Assembly "2" at 19.786,102.385 h1.5 r90; M14-Top Assembly "1" at 19.811,105.17 h1.5 r90
CN11: Top Overlay "5" at 9.844,78.258 h1.5 r270; Top Overlay "9" at 7.269,79.658 h1.5 r270; Top Overlay "6" at 7.269,90.833 h1.5 r270; Top Overlay "1" at 9.869,91.793 h1.5 r270; Top Overlay "1" at 12.369,90.108 h1.5; M14-Top Assembly "9" at 7.344,81.008 h1.5 r270; M14-Top Assembly "8" at 7.394,83.758 h1.5 r270; M14-Top Assembly "7" at 7.369,86.533 h1.5 r270; M14-Top Assembly "6" at 7.394,89.308 h1.5 r270; M14-Top Assembly "5" at 9.919,79.608 h1.5 r270; M14-Top Assembly "4" at 9.944,82.458 h1.5 r270; M14-Top Assembly "3" at 9.919,85.133 h1.5 r270; M14-Top Assembly "2" at 9.944,87.958 h1.5 r270; M14-Top Assembly "1" at 9.894,90.533 h1.5 r270
CN12: Top Overlay "1" at 19.661,97.887 h1.5 r90; M14-Top Assembly "2" at 19.786,93.362 h1.5 r90; M14-Top Assembly "1" at 19.811,96.147 h1.5 r90
CN14: Top Overlay "1" at 107.87,91.998 h1.5 r270; Top Overlay "1" at 110.51,87.958 h1.5 r270; M14-Top Assembly "19" at 110.675,64.17 h1.5 r270; M14-Top Assembly "20" at 113.215,64.25 h1.5 r270; M14-Top Assembly "2" at 113.175,86.71 h1.5 r270; M14-Top Assembly "1" at 110.635,86.54 h1.5 r270
CN15: M14-Top Assembly "1" at 99.623,84.78 h1 r180; M14-Top Assembly "10" at 99.94,83.51 h1 r180; M14-Top Assembly "9" at 98.403,83.485 h1 r180; M14-Top Assembly "8" at 97.133,83.485 h1 r180; M14-Top Assembly "7" at 95.813,83.51 h1 r180; M14-Top Assembly "6" at 94.543,83.51 h1 r180; M14-Top Assembly "5" at 94.574,84.803 h1 r180; M14-Top Assembly "4" at 95.924,84.778 h1 r180; M14-Top Assembly "3" at 97.133,84.755 h1 r180; M14-Top Assembly "2" at 98.403,84.755 h1 r180
CN16: Top Overlay "14" at 83.676,77.977 h1.5 r90; Top Overlay "13" at 89.726,77.977 h1.5 r90; Top Overlay "2" at 83.701,68.552 h1.5 r90; Top Overlay "1" at 89.751,68.852 h1.5 r90; M14-Top Assembly "2" at 83.701,69.527 h1 r90; M14-Top Assembly "14" at 83.726,76.952 h1 r90; M14-Top Assembly "13" at 89.376,76.927 h1 r90; M14-Top Assembly "1" at 89.426,69.627 h1 r90
CN17: Top Overlay "1" at 93.543,79.983 h1.5 r270; M14-Top Assembly "2" at 98.393,79.383 h1 r270; M14-Top Assembly "19" at 93.768,68.133 h1 r270; M14-Top Assembly "20" at 98.393,68.183 h1 r270; M14-Top Assembly "1" at 93.768,79.283 h1 r270
CN18: Top Overlay "1" at 66.569,76.643 h1.5 r270; M14-Top Assembly "4" at 66.619,67.568 h1.5 r270; M14-Top Assembly "1" at 66.569,74.993 h1.5 r270
CN19: Top Overlay "1" at 1.476,58.745 h1.5; M14-Top Assembly "2" at 2.076,63.595 h1; M14-Top Assembly "19" at 13.326,58.97 h1; M14-Top Assembly "20" at 13.276,63.595 h1; M14-Top Assembly "1" at 2.176,58.97 h1
CN20: M14-Top Assembly "7" at 98.552,53.594 h1.5 r270; M14-Top Assembly "8" at 101.092,53.594 h1.5 r270; M14-Top Assembly "2" at 101.092,61.214 h1.5 r270; M14-Top Assembly "1" at 98.552,61.087 h1.5 r270
CN21: Top Overlay "1" at 114.463,48.221 h1.5 r90; M14-Top Assembly "5" at 114.538,53.721 h1.5 r90; M14-Top Assembly "1" at 114.538,51.171 h1.5 r90; M7-Top Info "PCB" at 118.813,46.471 h1 r90; M7-Top Info "EDGE" at 118.788,57.071 h1 r90
CN22: Top Overlay "A1" at 7.986,51.109 h0.64 r270; Top Overlay "B12" at 5.182,52.222 h0.64 r270; M14-Top Assembly "B12" at 5.561,51.609 h0.75 r270; M14-Top Assembly "B1" at 5.586,45.834 h0.75 r270; M14-Top Assembly "A1" at 7.086,51.134 h0.75 r270; M14-Top Assembly "A12" at 7.111,45.859 h0.75 r270; M7-Top Info "PCB" at -0.939,56.659 h1 r270; M7-Top Info "EDGE" at -0.939,42.084 h1 r270
CN23: M14-Top Assembly "7" at 115.46,38.633 h1.5 r180; M14-Top Assembly "4" at 112.51,38.633 h1.5 r180; M14-Top Assembly "5" at 101.31,41.533 h1.5 r180; M14-Top Assembly "6" at 105.16,45.933 h1.5 r180; M14-Top Assembly "3" at 114.71,45.983 h1.5 r180; M14-Top Assembly "2" at 117.41,45.983 h1.5 r180; M7-Top Info "PCB" at 118.835,36.783 h1 r90; M7-Top Info "EDGE" at 118.835,44.383 h1 r90
CN24: M14-Top Assembly "7" at 98.552,28.194 h1.5 r270; M14-Top Assembly "8" at 101.092,28.194 h1.5 r270; M14-Top Assembly "2" at 101.092,35.814 h1.5 r270; M14-Top Assembly "1" at 98.552,35.687 h1.5 r270
CN25: Top Overlay "1" at 11.65,20.627 h0.64 r180; M14-Top Assembly "1" at 9.3,20.477 h1.5 r180; M14-Top Assembly "2" at 7.65,17.227 h1.5 r180; M14-Top Assembly "3" at 4.2,20.527 h1.5 r180; M7-Top Info "PCB" at -3.6,13.577 h1 r90; M7-Top Info "EDGE" at -3.6,24.777 h1 r90
CN26: M14-Top Assembly "7" at 115.441,17.424 h1.5 r180; M14-Top Assembly "4" at 112.491,17.424 h1.5 r180; M14-Top Assembly "5" at 101.291,20.324 h1.5 r180; M14-Top Assembly "6" at 105.141,24.724 h1.5 r180; M14-Top Assembly "3" at 114.691,24.774 h1.5 r180; M14-Top Assembly "2" at 117.391,24.774 h1.5 r180; M7-Top Info "PCB" at 118.816,15.574 h1 r90; M7-Top Info "EDGE" at 118.816,23.174 h1 r90
CN27: Top Overlay "1" at 83.998,20.422 h1.5 r270; M14-Top Assembly "4" at 84.005,11.079 h1.5 r270; M14-Top Assembly "1" at 83.955,18.504 h1.5 r270
CN28: Top Overlay "1" at 91.031,15.621 h0.64; Top Overlay "9" at 101.998,15.923 h0.64; Top Overlay "10" at 102.311,6.426 h0.64; M14-Top Assembly "1" at 91.748,14.475 h1.5 r270; M14-Top Assembly "9" at 100.573,14.525 h1.5 r270; M14-Top Assembly "10" at 100.898,6.1 h1.5 r270; M7-Top Info "PCB" at 104.748,-0.05 h1 r180; M7-Top Info "EDGE" at 87.173,-0.05 h1 r180
CN29: Top Overlay "1" at 110.191,12.591 h1.5; M14-Top Assembly "2" at 105.666,12.466 h1.5; M14-Top Assembly "1" at 108.451,12.441 h1.5
CN30: Top Overlay "1" at 117.335,12.591 h1.5; M14-Top Assembly "2" at 112.81,12.466 h1.5; M14-Top Assembly "1" at 115.595,12.441 h1.5
CN31: Bottom Overlay "C1" at 61.281,30.825 h1.5 r90; Bottom Overlay "C2" at 58.681,30.825 h1.5 r90; Bottom Overlay "C3" at 56.181,30.825 h1.5 r90; Bottom Overlay "C4" at 53.681,30.825 h1.5 r90; Bottom Overlay "C5" at 61.281,12.125 h1.5 r90; Bottom Overlay "C6" at 58.781,12.125 h1.5 r90; Bottom Overlay "C7" at 56.181,12.125 h1.5 r90; Bottom Overlay "C8" at 53.681,12.125 h1.5 r90; M8-Bottom Info "INSERT" at 62.781,-0.975 h2.5; M8-Bottom Info "CARD" at 52.881,-0.975 h2.5; M15-Bottom Assembly "S2" at 46.041,26.94 h1.5 r90; M15-Bottom Assembly "S1" at 48.566,26.815 h1.5 r90; M15-Bottom Assembly "C8" at 53.681,12.125 h1.5 r90; M15-Bottom Assembly "C7" at 56.181,12.125 h1.5 r90; M15-Bottom Assembly "C6" at 58.781,12.125 h1.5 r90; M15-Bottom Assembly "C5" at 61.281,12.125 h1.5 r90; M15-Bottom Assembly "C4" at 53.681,30.825 h1.5 r90; M15-Bottom Assembly "C3" at 56.181,30.825 h1.5 r90; M15-Bottom Assembly "C2" at 58.681,30.825 h1.5 r90; M15-Bottom Assembly "C1" at 61.281,30.825 h1.5 r90
CN32: Top Overlay "1" at 84.968,117.323 h1.5; M14-Top Assembly "1" at 86.537,118.088 h1.5
D1: Top Overlay "K" at 43.639,106.758 h1.2 r270; M14-Top Assembly "K" at 45.014,105.808 h1 r270; M14-Top Assembly "A" at 45.014,102.158 h1 r270
D2: M14-Top Assembly "K" at 84.801,83.244 h1.2 r90
D3: M14-Top Assembly "K" at 45.4,60.799 h1.2 r270
D4: M14-Top Assembly "K" at 43.641,60.79 h1.2 r270
D5: M14-Top Assembly "K" at 41.819,60.783 h1.2 r270
D6: M14-Top Assembly "K" at 47.194,60.715 h1.2 r270
D7: M14-Top Assembly "K" at 72.607,56.092 h1.2 r90
D8: Top Overlay "K" at 17.708,54.61 h0.64; Top Overlay "K" at 14.605,54.61 h0.64; M14-Top Assembly "K" at 16.023,54.88 h1 r270
D9: Top Overlay "K" at 22.439,54.61 h0.64; Top Overlay "K" at 19.431,54.61 h0.64; M14-Top Assembly "K" at 20.753,54.823 h1 r270
D10: M14-Top Assembly "1" at 63.444,30.758 h0.4; M14-Top Assembly "4" at 64.594,30.758 h0.4; M14-Top Assembly "5" at 64.619,31.958 h0.4; M14-Top Assembly "8" at 63.419,31.958 h0.4; M14-Top Assembly "9" at 64.019,31.358 h0.4
D11: M14-Top Assembly "K" at 77.258,10.763 h1.2 r180
Designator42: M8-Bottom Info "Sticker area" at 30.556,163.655 h0.75
HW3: Top Overlay "RoHS" at 1.549,160.223 h1.5; Top Overlay "COMPLIANT" at 1.448,158.725 h1.5; Top Overlay "2002/95/EC" at 1.38,157.414 h1.5
HW7: M8-Bottom Info "Sticker area" at 42.801,60.1 h0.75
JP1: Top Overlay "1" at 49.161,115.593 h1.5; M14-Top Assembly "1" at 47.931,116.623 h1.5 r180
JP2: Top Overlay "1" at 27.257,101.239 h1.5 r90; M14-Top Assembly "1" at 27.307,102.789 h1.5 r90
JP4: Top Overlay "1" at 27.257,92.049 h1.5 r90; M14-Top Assembly "1" at 27.307,93.599 h1.5 r90
JP5: Top Overlay "1" at 103.226,101.982 h1.5 r270; M14-Top Assembly "1" at 103.201,100.357 h1.5 r270
JP6: Top Overlay "1" at 80.297,92.732 h1.5 r270; M14-Top Assembly "1" at 80.272,91.107 h1.5 r270
JP7: Top Overlay "1" at 70.449,92.542 h1.5 r270; M14-Top Assembly "1" at 70.424,90.917 h1.5 r270
JP8: Top Overlay "1" at 88.013,81.465 h0.64 r90; M14-Top Assembly "1" at 88.063,83.015 h1.5 r90
JP9: Top Overlay "1" at 34.47,76.695 h1.5 r90; M14-Top Assembly "1" at 34.495,78.32 h1.5 r90
JP10: Top Overlay "1" at 29.812,79.094 h1.5 r90; M14-Top Assembly "1" at 29.862,80.644 h1.5 r90
JP11: Top Overlay "1" at 73.355,76.517 h1.5 r270; M14-Top Assembly "1" at 73.33,74.892 h1.5 r270
JP12: Top Overlay "2" at 37.677,71.578 h1.5; Top Overlay "1" at 37.952,69.078 h1.5; M14-Top Assembly "1" at 39.452,69.078 h1.5; M14-Top Assembly "2" at 39.352,71.578 h1.5; M14-Top Assembly "10" at 49.227,71.603 h1.5; M14-Top Assembly "9" at 49.617,69.078 h1.5
JP13: Top Overlay "1" at 54.829,73.641 h1.5 r270; M14-Top Assembly "1" at 54.804,72.016 h1.5 r270
JP14: Top Overlay "1" at 28.862,73.443 h1.5 r270; M14-Top Assembly "1" at 28.837,71.818 h1.5 r270
JP15: Top Overlay "1" at 33.642,73.443 h1.5 r270; M14-Top Assembly "1" at 33.617,71.818 h1.5 r270
JP16: Top Overlay "1" at 108.279,33.942 h0.64; M14-Top Assembly "1" at 109.829,33.892 h1.5
JP17: Top Overlay "1" at 108.431,28.839 h0.64; M14-Top Assembly "1" at 109.981,28.789 h1.5
JP18: Top Overlay "1" at 62.553,65.81 h1.5 r90; M14-Top Assembly "1" at 62.603,67.36 h1.5 r90
L4: Top Overlay "4" at 10.776,37.732 h0.64 r180; Top Overlay "6" at 3.226,32.576 h0.64 r180; Top Overlay "2" at 5.55,37.732 h0.64 r180; Top Overlay "5" at 7.886,31.839 h0.64; Top Overlay "3" at 10.757,29.929 h0.64 r180; Top Overlay "1" at 5.677,29.985 h0.64 r180; M14-Top Assembly "1" at 5.626,31.501 h1.5 r180; M14-Top Assembly "6" at 3.251,34.026 h1.5 r180; M14-Top Assembly "5" at 8.326,34.001 h1.5 r180; M14-Top Assembly "4" at 10.876,36.501 h1.5 r180; M14-Top Assembly "3" at 10.801,31.576 h1.5 r180; M14-Top Assembly "2" at 5.876,36.601 h1.5 r180
L5: Top Overlay "4R7" at 34.315,31.674 h1.3; M14-Top Assembly "4R7" at 34.081,31.537 h1.5
LD1: M14-Top Assembly "K" at 27.174,5.666 h0.75 r90
LD2: M14-Top Assembly "K" at 29.393,5.666 h0.75 r90
LD3: M14-Top Assembly "K" at 31.817,5.652 h0.75 r90
LD4: M14-Top Assembly "K" at 34.06,5.652 h0.75 r90
LD5: M14-Top Assembly "K" at 42.126,83.836 h1; M14-Top Assembly "A" at 46.201,83.836 h1
LD6: M14-Top Assembly "K" at 44.434,75.192 h0.75
LD7: M14-Top Assembly "K" at 62.887,57.928 h0.75 r90
LD8: Top Overlay "R" at 37.109,5.486 h1.5; Top Overlay "G" at 38.075,5.537 h1.5; M14-Top Assembly "C1" at 36.556,4.125 h0.75; M14-Top Assembly "G" at 38.406,5.525 h1.5; M14-Top Assembly "A2" at 37.981,4.15 h0.75; M14-Top Assembly "C2" at 37.931,6.975 h0.75; M14-Top Assembly "A1" at 36.506,7 h0.75; M14-Top Assembly "R" at 36.956,5.525 h1.5
Q2: Top Overlay "1" at 14.577,44.505 h1.3; M14-Top Assembly "8" at 15.527,47.605 h0.5; M14-Top Assembly "7" at 16.177,47.605 h0.5; M14-Top Assembly "6" at 16.827,47.605 h0.5; M14-Top Assembly "5" at 17.502,47.605 h0.5; M14-Top Assembly "4" at 17.452,45.13 h0.5; M14-Top Assembly "3" at 16.827,45.13 h0.5; M14-Top Assembly "2" at 16.177,45.13 h0.5; M14-Top Assembly "1" at 15.552,45.13 h0.5
Q3: Top Overlay "1" at 19.283,44.504 h1.3; M14-Top Assembly "8" at 20.233,47.604 h0.5; M14-Top Assembly "7" at 20.883,47.604 h0.5; M14-Top Assembly "6" at 21.533,47.604 h0.5; M14-Top Assembly "5" at 22.208,47.604 h0.5; M14-Top Assembly "4" at 22.158,45.129 h0.5; M14-Top Assembly "3" at 21.533,45.129 h0.5; M14-Top Assembly "2" at 20.883,45.129 h0.5; M14-Top Assembly "1" at 20.258,45.129 h0.5
RV1: M14-Top Assembly "1" at 109.599,107.054 h0.8 r270; M14-Top Assembly "3" at 109.599,109.454 h0.8 r270; M14-Top Assembly "2" at 115.174,108.279 h0.8 r270
RV2: Top Overlay "2" at 116.029,98.06 h1.5 r90; Top Overlay "1" at 113.389,95.66 h1.5 r90; Top Overlay "3" at 113.389,103.34 h1.5 r90; M14-Top Assembly "1" at 113.149,97.34 h1.5 r90; M14-Top Assembly "3" at 113.149,102.14 h1.5 r90; M14-Top Assembly "2" at 115.549,99.74 h1.5 r90
RV3: Top Overlay "2" at 15.878,4.354 h1.5; Top Overlay "1" at 13.478,6.994 h1.5; Top Overlay "3" at 21.158,6.994 h1.5; M14-Top Assembly "1" at 15.158,7.234 h1.5; M14-Top Assembly "3" at 19.958,7.234 h1.5; M14-Top Assembly "2" at 17.558,4.834 h1.5
SW1: M14-Top Assembly "1" at 15.617,155.532 h1 r270; M14-Top Assembly "2" at 15.617,153.132 h1 r270; M14-Top Assembly "3" at 15.617,150.607 h1 r270; M14-Top Assembly "6" at 18.467,150.607 h1 r270; M14-Top Assembly "5" at 18.467,153.132 h1 r270; M14-Top Assembly "4" at 18.467,155.607 h1 r270
SW2: M14-Top Assembly "10" at 58.046,152.962 h1; M14-Top Assembly "11" at 60.071,152.962 h1; M14-Top Assembly "12" at 61.996,152.962 h1; M14-Top Assembly "7" at 64.221,152.962 h1; M14-Top Assembly "8" at 66.196,152.962 h1; M14-Top Assembly "9" at 68.221,152.962 h1; M14-Top Assembly "6" at 68.246,149.437 h1; M14-Top Assembly "5" at 66.246,149.437 h1; M14-Top Assembly "4" at 64.221,149.437 h1; M14-Top Assembly "3" at 62.246,149.437 h1; M14-Top Assembly "2" at 60.246,149.437 h1; M14-Top Assembly "1" at 58.321,149.437 h1
SW3: M14-Top Assembly "10" at 75.746,152.922 h1; M14-Top Assembly "11" at 77.771,152.922 h1; M14-Top Assembly "12" at 79.696,152.922 h1; M14-Top Assembly "7" at 81.921,152.922 h1; M14-Top Assembly "8" at 83.896,152.922 h1; M14-Top Assembly "9" at 85.921,152.922 h1; M14-Top Assembly "6" at 85.946,149.397 h1; M14-Top Assembly "5" at 83.946,149.397 h1; M14-Top Assembly "4" at 81.921,149.397 h1; M14-Top Assembly "3" at 79.946,149.397 h1; M14-Top Assembly "2" at 77.946,149.397 h1; M14-Top Assembly "1" at 76.021,149.397 h1
SW4: M14-Top Assembly "1" at 46.264,149.742 h1; M14-Top Assembly "2" at 48.664,149.742 h1; M14-Top Assembly "3" at 51.189,149.742 h1; M14-Top Assembly "6" at 51.189,152.592 h1; M14-Top Assembly "5" at 48.664,152.592 h1; M14-Top Assembly "4" at 46.189,152.592 h1
SW5: M14-Top Assembly "10" at 15.75,133.25 h1 r90; M14-Top Assembly "11" at 15.75,135.275 h1 r90; M14-Top Assembly "12" at 15.75,137.2 h1 r90; M14-Top Assembly "7" at 15.75,139.425 h1 r90; M14-Top Assembly "8" at 15.75,141.4 h1 r90; M14-Top Assembly "9" at 15.75,143.425 h1 r90; M14-Top Assembly "6" at 19.275,143.45 h1 r90; M14-Top Assembly "5" at 19.275,141.45 h1 r90; M14-Top Assembly "4" at 19.275,139.425 h1 r90; M14-Top Assembly "3" at 19.275,137.45 h1 r90; M14-Top Assembly "2" at 19.275,135.45 h1 r90; M14-Top Assembly "1" at 19.275,133.525 h1 r90
SW6: M14-Top Assembly "10" at 15.751,115.802 h1 r90; M14-Top Assembly "11" at 15.751,117.827 h1 r90; M14-Top Assembly "12" at 15.751,119.752 h1 r90; M14-Top Assembly "7" at 15.751,121.977 h1 r90; M14-Top Assembly "8" at 15.751,123.952 h1 r90; M14-Top Assembly "9" at 15.751,125.977 h1 r90; M14-Top Assembly "6" at 19.276,126.002 h1 r90; M14-Top Assembly "5" at 19.276,124.002 h1 r90; M14-Top Assembly "4" at 19.276,121.977 h1 r90; M14-Top Assembly "3" at 19.276,120.002 h1 r90; M14-Top Assembly "2" at 19.276,118.002 h1 r90; M14-Top Assembly "1" at 19.276,116.077 h1 r90
SW7: Top Overlay "3" at 86.841,88.857 h1.5 r90; Top Overlay "2" at 91.941,88.857 h1.5 r90; Top Overlay "1" at 89.391,88.982 h1.5 r90; M14-Top Assembly "1" at 89.191,90.907 h1.5 r90; M14-Top Assembly "3" at 86.616,90.807 h1.5 r90; M14-Top Assembly "2" at 91.716,90.782 h1.5 r90
T1: M14-Top Assembly "1" at 44.05,99.814 h0.4 r270; M14-Top Assembly "2" at 44.05,99.189 h0.4 r270; M14-Top Assembly "3" at 44.05,98.539 h0.4 r270; M14-Top Assembly "7" at 45,98.539 h0.4 r270; M14-Top Assembly "4" at 45.85,98.564 h0.4 r270; M14-Top Assembly "5" at 45.85,99.214 h0.4 r270; M14-Top Assembly "6" at 45.85,99.864 h0.4 r270; M14-Top Assembly "8" at 44.925,99.489 h0.4 r270
T2: Top Overlay "1" at 51.311,50.784 h1.5; M14-Top Assembly "4" at 53.781,53.644 h0.75; M14-Top Assembly "5" at 52.851,53.659 h0.75; M14-Top Assembly "6" at 51.901,53.659 h0.75; M14-Top Assembly "1" at 51.951,51.309 h0.75; M14-Top Assembly "3" at 53.781,51.304 h0.75; M14-Top Assembly "2" at 52.851,51.309 h0.75